# KiCad board shek-rounded.kicad_pcb
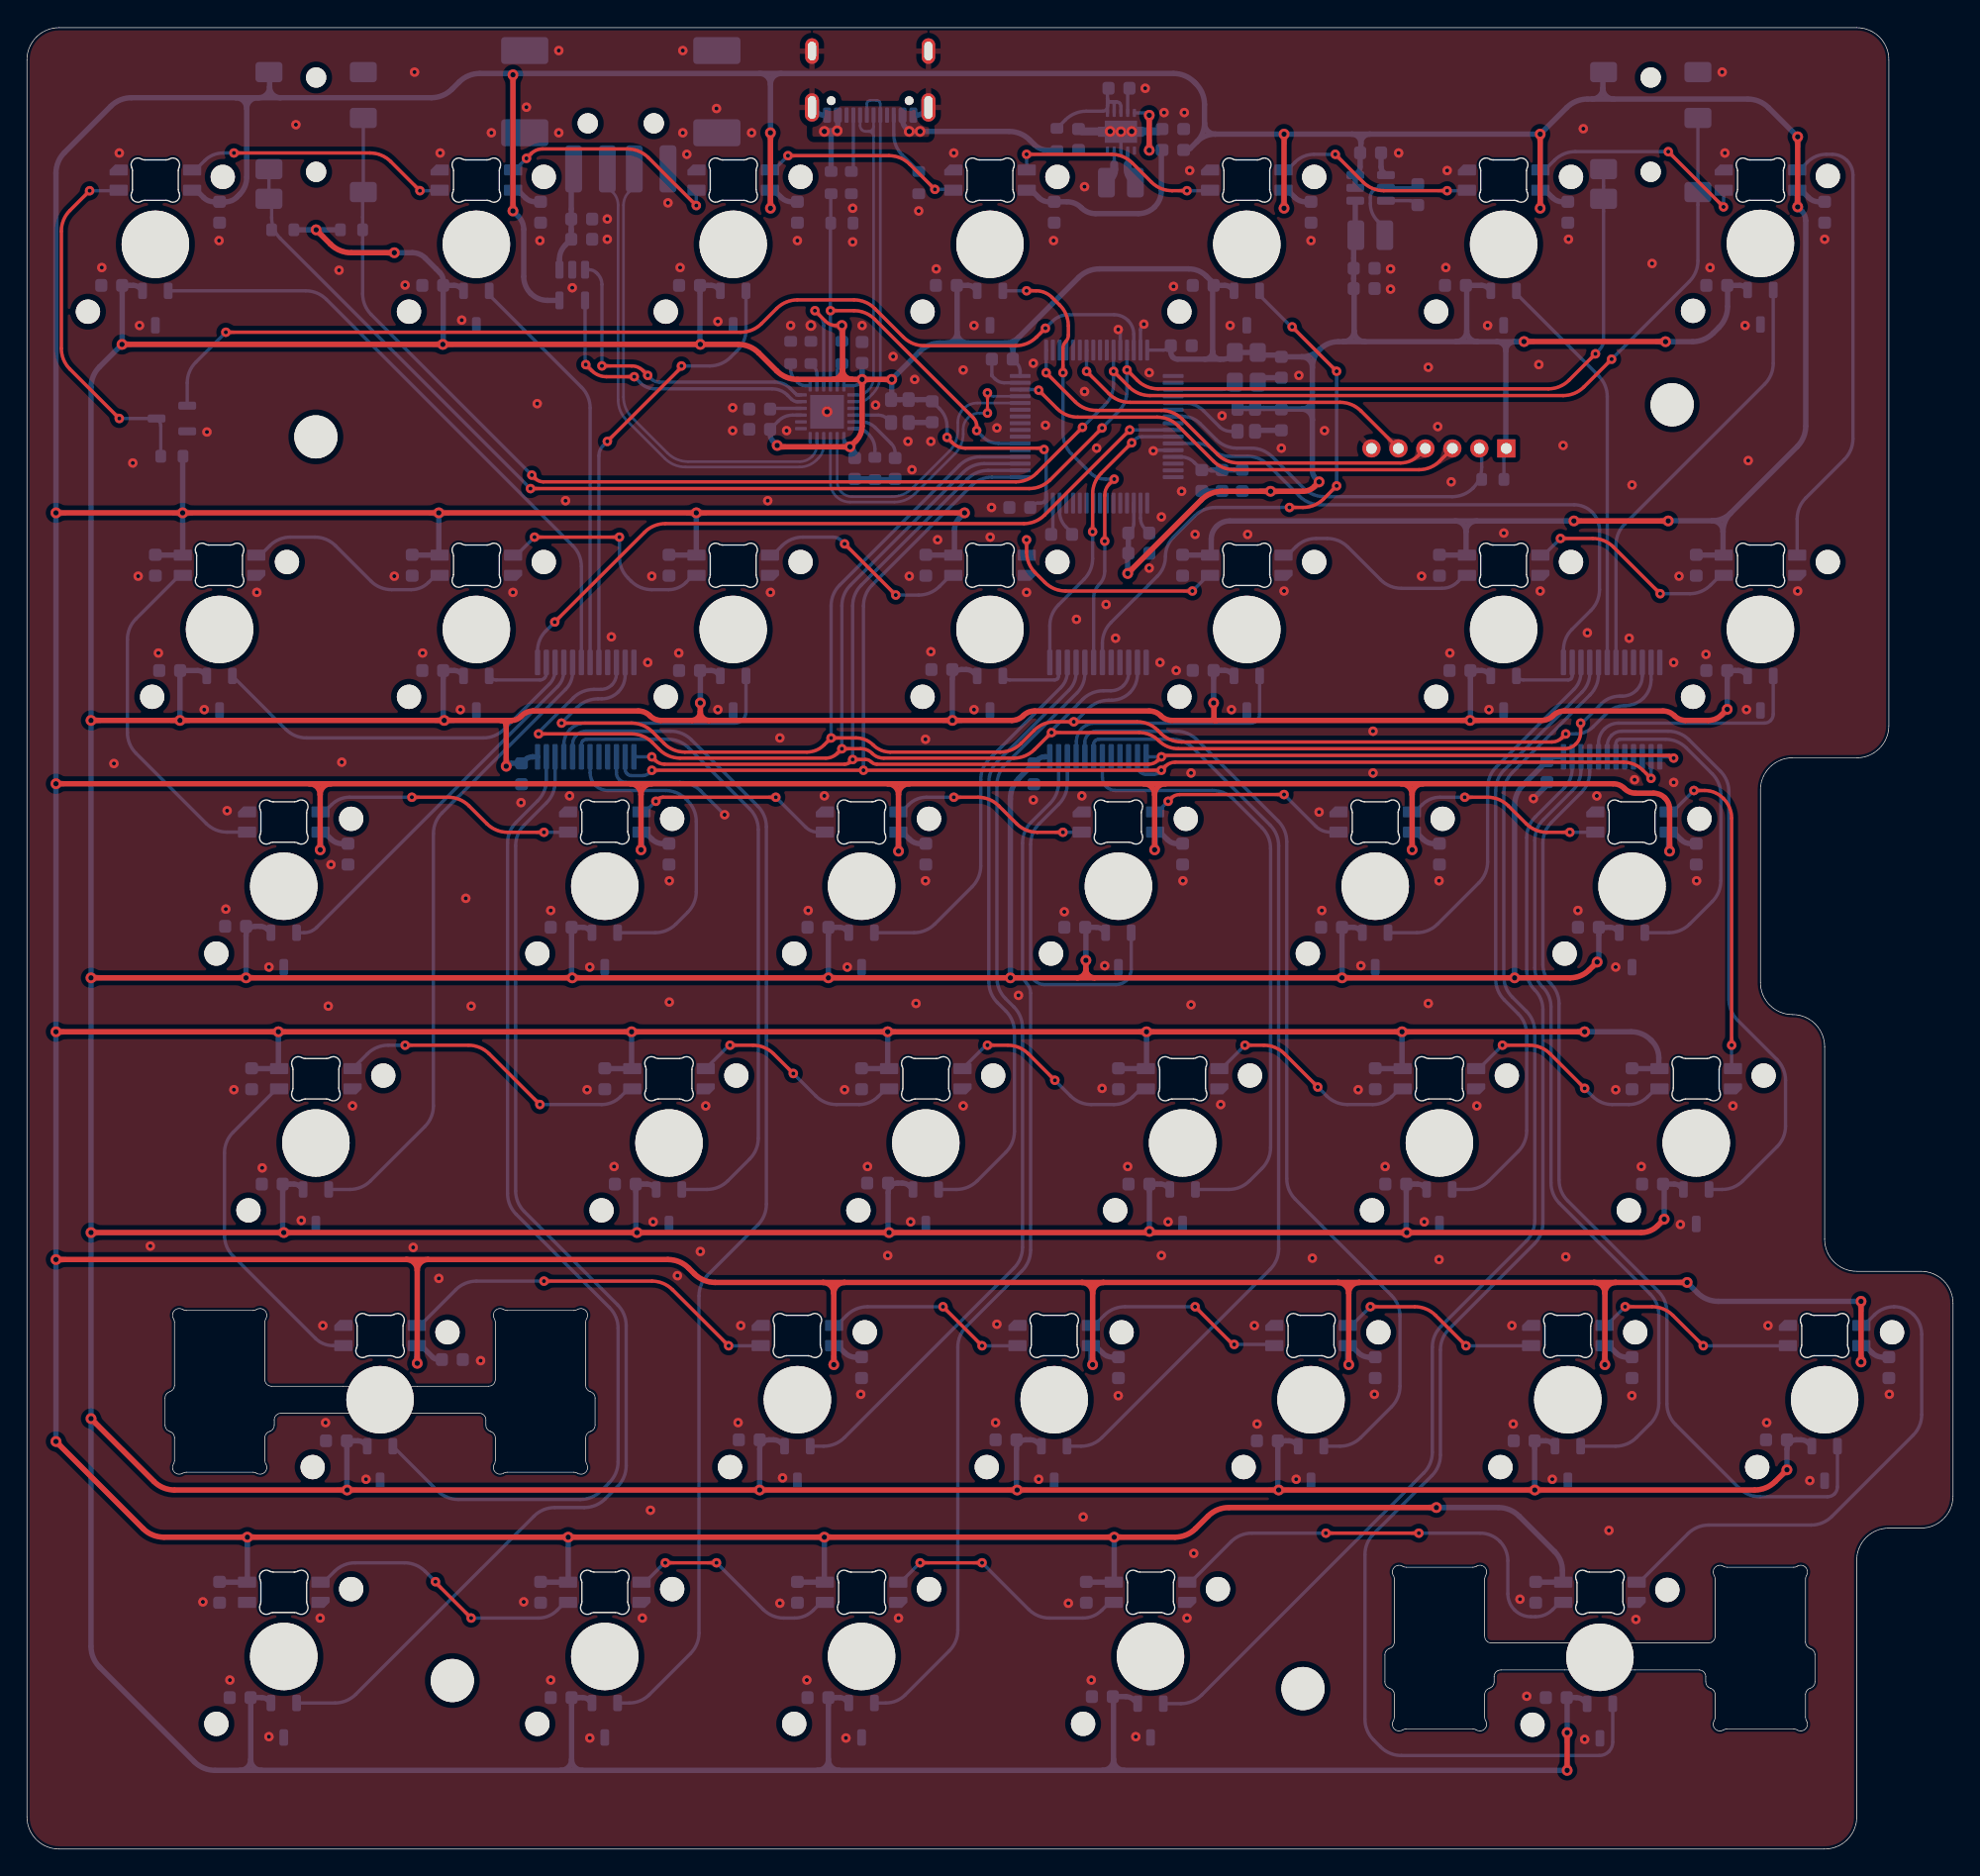
[diagram p0: board, top side]
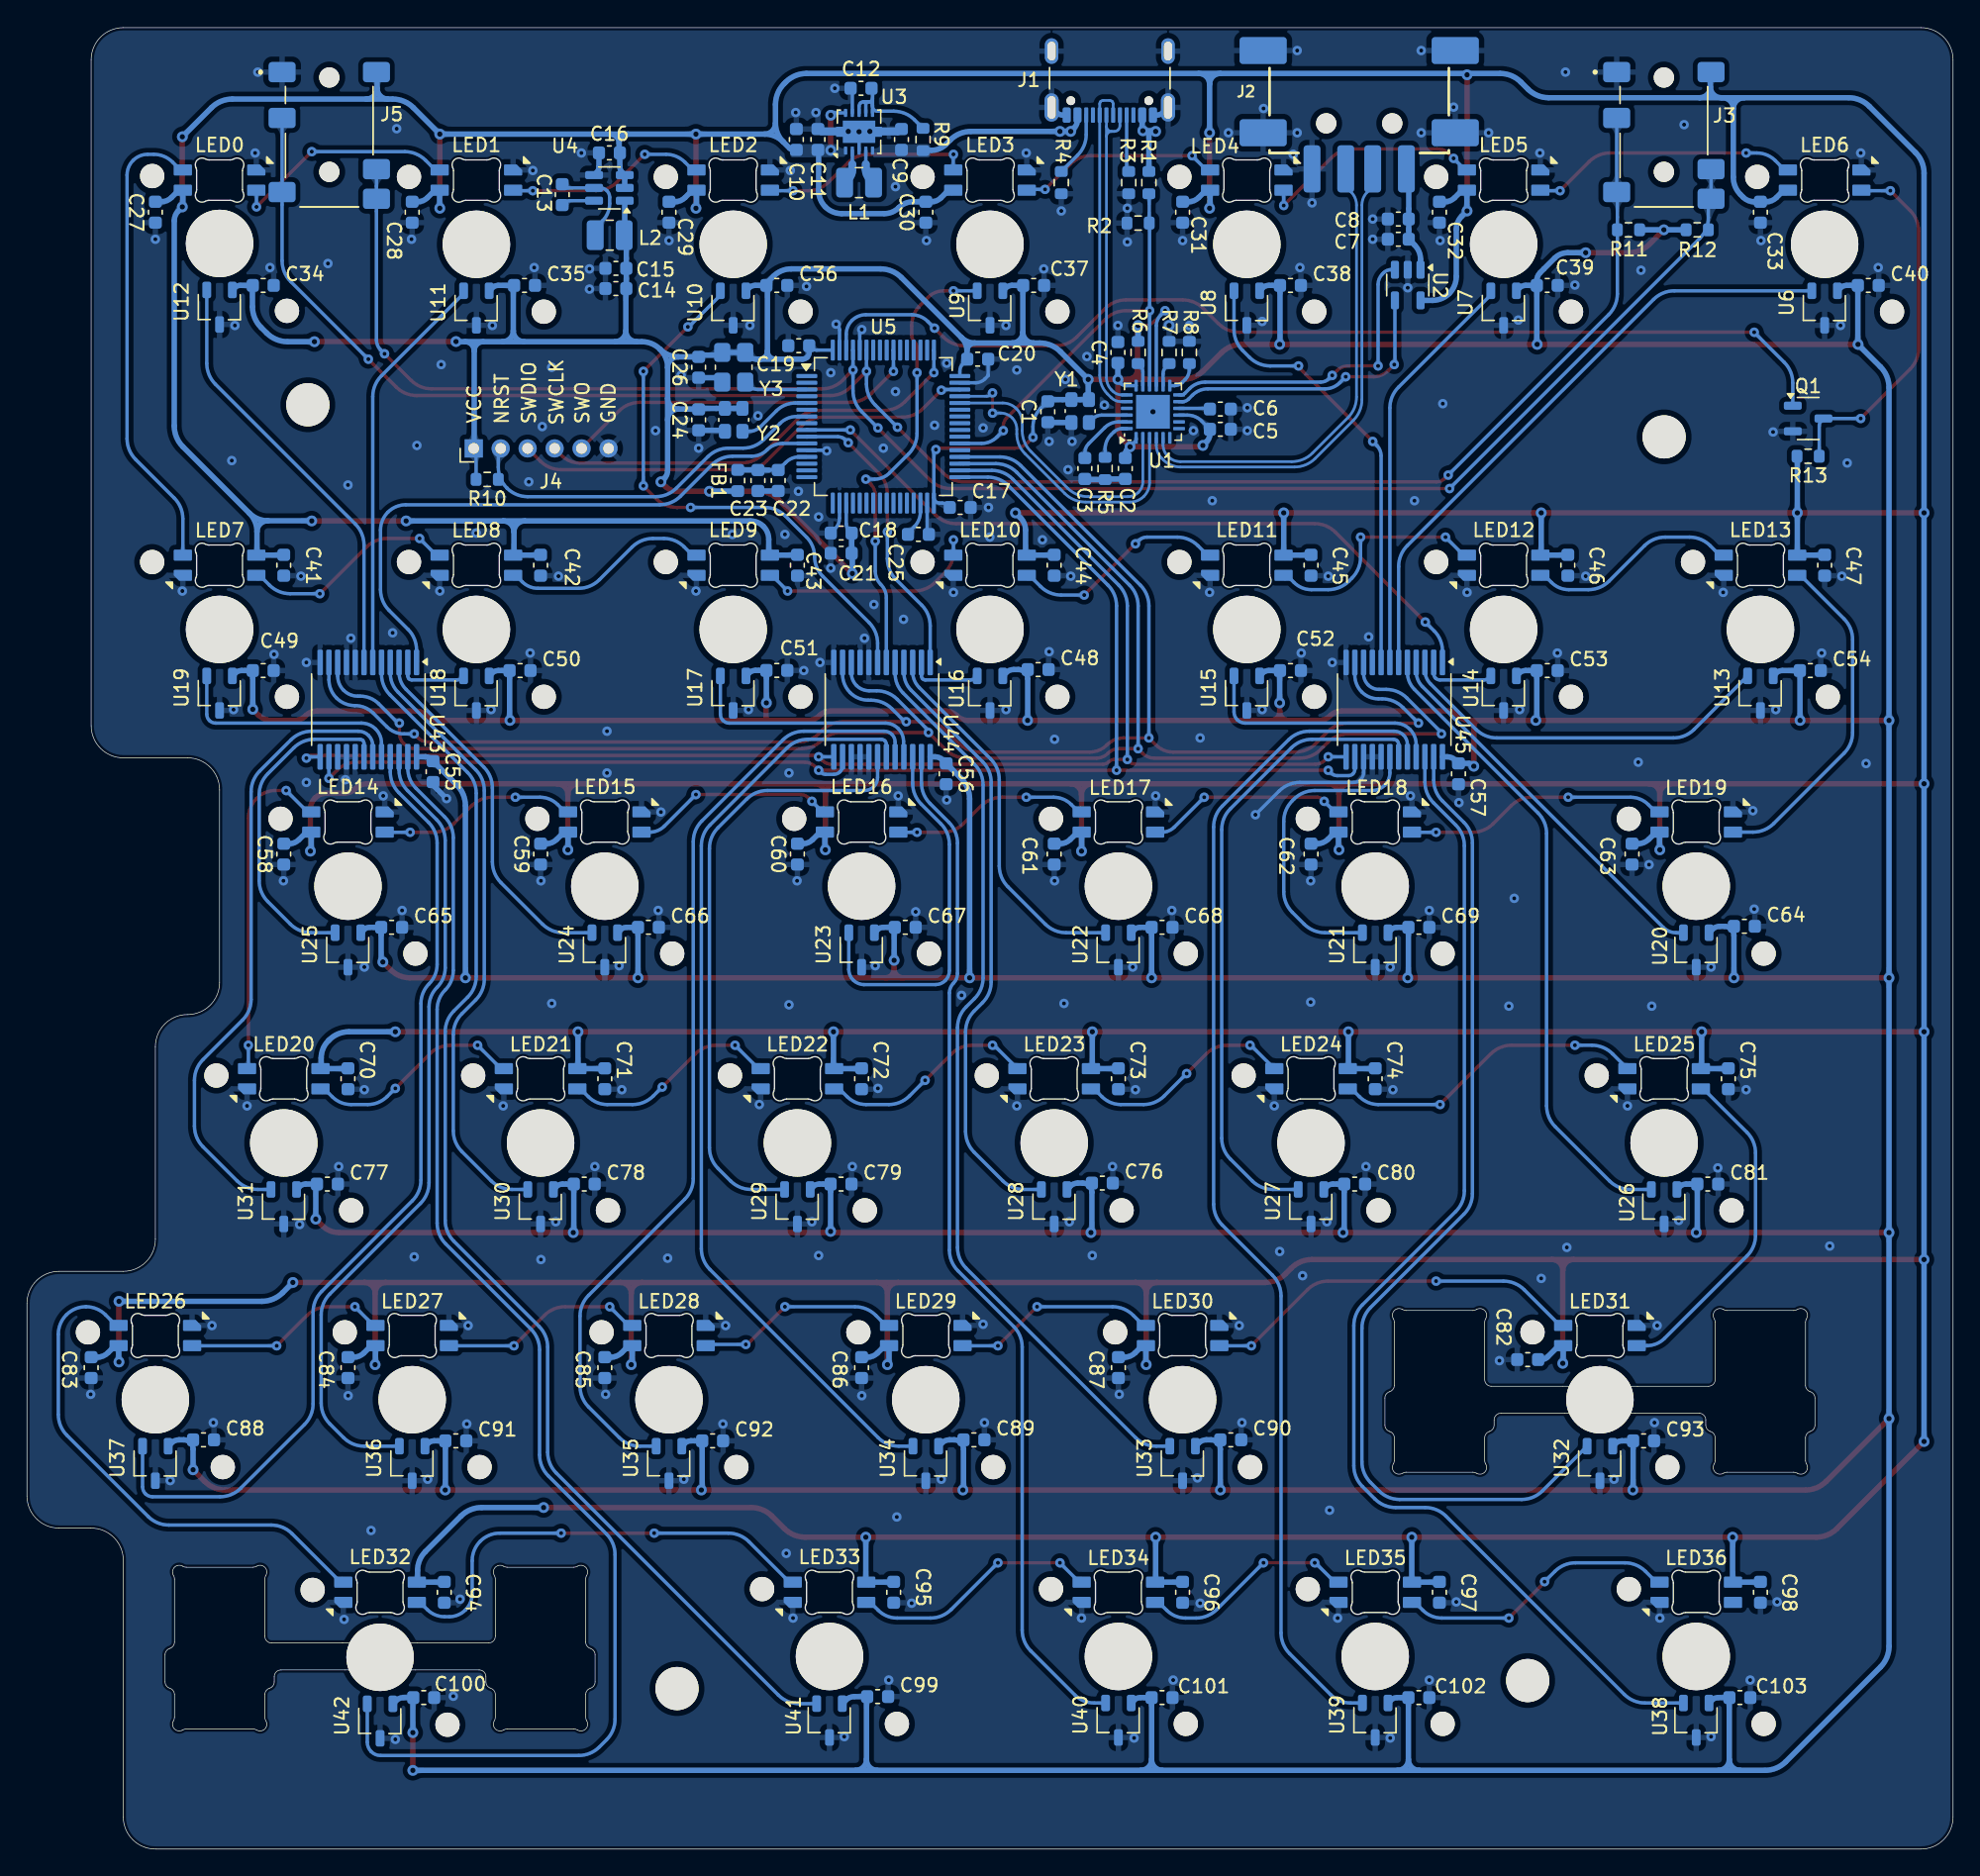
[diagram p1: board, bottom side, seen from below]

Outline 142.88 x 135.14 mm; copper layers: Top, Bottom. Coordinates in mm from the lower left corner of the outline.
Outline path: 0,2.38 0,132.75 arc(0.7,134.44) 2.38,135.14 135.73,135.14 arc(137.42,134.44) 138.11,132.75 138.11,83.34 arc(137.42,81.66) 135.73,80.96 130.97,80.96 arc(129.28,80.27) 128.59,78.58 128.59,64.29 arc(129.28,62.61) 130.97,61.91 arc(132.65,61.22) 133.35,59.53 133.35,45.24 arc(134.05,43.56) 135.73,42.86 140.49,42.86 arc(142.18,42.17) 142.88,40.48 142.88,26.19 arc(142.18,24.51) 140.49,23.81 138.11,23.81 arc(136.43,23.12) 135.73,21.43 135.73,2.38 arc(135.03,0.69) 133.33,0 2.38,0 arc(0.7,0.7) 0,2.38

## Placement (name value [footprint] x y rotation side)
C1  0.1uF  [C_0603_1608Metric]  67.15 106.64 90 bottom
C2  0.1uF  [C_0603_1608Metric]  61.4 102.43 270 bottom
C3  0.1uF  [C_0603_1608Metric]  64.4 102.43 270 bottom
C4  0.1uF  [C_0603_1608Metric]  61.95 111.04 90 bottom
C5  1uF  [C_0603_1608Metric]  54.35 105.34 180 bottom
C6  1uF  [C_0603_1608Metric]  54.35 106.84 180 bottom
C7  1uF  [C_0603_1608Metric]  41.15 119.44 0 bottom
C8  0.1uF  [C_0603_1608Metric]  41.15 120.94 0 bottom
C9  10uF  [C_0603_1608Metric]  78 126.84 90 bottom
C10  10uF  [C_0603_1608Metric]  85.8 126.84 90 bottom
C11  10uF  [C_0603_1608Metric]  84.2 126.84 90 bottom
C12  0.1uF  [C_0603_1608Metric]  81 130.64 0 bottom
C13  0.1uF  [C_0603_1608Metric]  103.17 122.75 270 bottom
C14  22uF  [C_0603_1608Metric]  99.19 115.78 0 bottom
C15  22uF  [C_0603_1608Metric]  99.19 117.28 0 bottom
C16  10uF  [C_0603_1608Metric]  99.67 125.85 0 bottom
C17  0.1uF  [C_0603_1608Metric]  73.65 99.54 180 bottom
C18  0.1uF  [C_0603_1608Metric]  82.48 97.64 0 bottom
C19  0.1uF  [C_0603_1608Metric]  85.62 111.54 0 bottom
C20  0.1uF  [C_0603_1608Metric]  72.35 110.54 180 bottom
C21  4.7uF  [C_0603_1608Metric]  82.48 96.14 0 bottom
C22  0.1uF  [C_0603_1608Metric]  87.15 101.54 270 bottom
C23  1uF  [C_0603_1608Metric]  88.65 101.54 270 bottom
C24  0.1uF  [C_0603_1608Metric]  93.05 106.04 90 bottom
C25  4.7uF <1R  [C_0603_1608Metric]  76.75 97.54 180 bottom
C26  0.1uF  [C_0603_1608Metric]  93.05 109.94 90 bottom
C27  0.1uF  [C_0603_1608Metric]  133.35 121.44 90 bottom
C28  0.1uF  [C_0603_1608Metric]  114.3 121.44 90 bottom
C29  0.1uF  [C_0603_1608Metric]  95.25 121.44 90 bottom
C30  0.1uF  [C_0603_1608Metric]  76.2 121.44 90 bottom
C31  0.1uF  [C_0603_1608Metric]  57.15 121.44 90 bottom
C32  0.1uF  [C_0603_1608Metric]  38.1 121.44 90 bottom
C33  0.1uF  [C_0603_1608Metric]  14.29 121.44 90 bottom
C34  0.1uF  [C_0603_1608Metric]  125.35 116.01 180 bottom
C35  0.1uF  [C_0603_1608Metric]  105.97 116.01 180 bottom
C36  0.1uF  [C_0603_1608Metric]  87.25 116.01 180 bottom
C37  0.1uF  [C_0603_1608Metric]  68.2 116.01 180 bottom
C38  0.1uF  [C_0603_1608Metric]  49.15 116.01 180 bottom
C39  0.1uF  [C_0603_1608Metric]  30.1 116.01 180 bottom
C40  0.1uF  [C_0603_1608Metric]  6.29 116.01 180 bottom
C41  0.1uF  [C_0603_1608Metric]  123.83 95.25 90 bottom
C42  0.1uF  [C_0603_1608Metric]  104.78 95.25 90 bottom
C43  0.1uF  [C_0603_1608Metric]  85.73 95.25 90 bottom
C44  0.1uF  [C_0603_1608Metric]  66.68 95.25 90 bottom
C45  0.1uF  [C_0603_1608Metric]  47.62 95.25 90 bottom
C46  0.1uF  [C_0603_1608Metric]  28.57 95.25 90 bottom
C47  0.1uF  [C_0603_1608Metric]  9.52 95.25 90 bottom
C48  0.1uF  [C_0603_1608Metric]  67.87 87.51 180 bottom
C49  0.1uF  [C_0603_1608Metric]  125.35 87.44 180 bottom
C50  0.1uF  [C_0603_1608Metric]  106.3 87.44 180 bottom
C51  0.1uF  [C_0603_1608Metric]  87.25 87.45 180 bottom
C52  0.1uF  [C_0603_1608Metric]  49.15 87.44 180 bottom
C53  0.1uF  [C_0603_1608Metric]  30.1 87.44 180 bottom
C54  0.1uF  [C_0603_1608Metric]  10.59 87.44 180 bottom
C55  0.1uF  [C_0603_1608Metric]  112.75 79.94 270 bottom
C56  0.1uF  [C_0603_1608Metric]  74.69 79.77 270 bottom
C57  0.1uF  [C_0603_1608Metric]  36.69 79.77 270 bottom
C58  0.1uF  [C_0603_1608Metric]  123.82 73.82 90 bottom
C59  0.1uF  [C_0603_1608Metric]  104.77 73.82 90 bottom
C60  0.1uF  [C_0603_1608Metric]  85.73 73.82 90 bottom
C61  0.1uF  [C_0603_1608Metric]  66.68 73.82 90 bottom
C62  0.1uF  [C_0603_1608Metric]  47.63 73.82 90 bottom
C63  0.1uF  [C_0603_1608Metric]  23.81 73.82 90 bottom
C64  0.1uF  [C_0603_1608Metric]  15.48 68.46 180 bottom
C65  0.1uF  [C_0603_1608Metric]  115.82 68.39 180 bottom
C66  0.1uF  [C_0603_1608Metric]  96.77 68.39 180 bottom
C67  0.1uF  [C_0603_1608Metric]  77.73 68.39 180 bottom
C68  0.1uF  [C_0603_1608Metric]  58.68 68.39 180 bottom
C69  0.1uF  [C_0603_1608Metric]  39.62 68.39 180 bottom
C70  0.1uF  [C_0603_1608Metric]  119.06 57.15 90 bottom
C71  0.1uF  [C_0603_1608Metric]  100.01 57.15 90 bottom
C72  0.1uF  [C_0603_1608Metric]  80.96 57.15 90 bottom
C73  0.1uF  [C_0603_1608Metric]  61.91 57.15 90 bottom
C74  0.1uF  [C_0603_1608Metric]  42.86 57.15 90 bottom
C75  0.1uF  [C_0603_1608Metric]  16.67 57.15 90 bottom
C76  0.1uF  [C_0603_1608Metric]  63.1 49.41 180 bottom
C77  0.1uF  [C_0603_1608Metric]  120.59 49.34 180 bottom
C78  0.1uF  [C_0603_1608Metric]  101.54 49.34 180 bottom
C79  0.1uF  [C_0603_1608Metric]  82.49 49.34 180 bottom
C80  0.1uF  [C_0603_1608Metric]  44.39 49.34 180 bottom
C81  0.1uF  [C_0603_1608Metric]  18.19 49.34 180 bottom
C82  0.1uF  [C_0603_1608Metric]  31.55 36.31 180 bottom
C83  0.1uF  [C_0603_1608Metric]  138.11 35.72 90 bottom
C84  0.1uF  [C_0603_1608Metric]  119.06 35.72 90 bottom
C85  0.1uF  [C_0603_1608Metric]  100.01 35.72 90 bottom
C86  0.1uF  [C_0603_1608Metric]  80.96 35.72 90 bottom
C87  0.1uF  [C_0603_1608Metric]  61.91 35.72 90 bottom
C88  0.1uF  [C_0603_1608Metric]  129.78 30.36 180 bottom
C89  0.1uF  [C_0603_1608Metric]  72.63 30.36 180 bottom
C90  0.1uF  [C_0603_1608Metric]  53.58 30.36 180 bottom
C91  0.1uF  [C_0603_1608Metric]  111.06 30.29 180 bottom
C92  0.1uF  [C_0603_1608Metric]  92.01 30.29 180 bottom
C93  0.1uF  [C_0603_1608Metric]  22.96 30.29 180 bottom
C94  0.1uF  [C_0603_1608Metric]  111.92 19.05 90 bottom
C95  0.1uF  [C_0603_1608Metric]  78.58 19.05 90 bottom
C96  0.1uF  [C_0603_1608Metric]  57.15 19.05 90 bottom
C97  0.1uF  [C_0603_1608Metric]  38.1 19.05 90 bottom
C98  0.1uF  [C_0603_1608Metric]  14.29 19.05 90 bottom
C99  0.1uF  [C_0603_1608Metric]  79.77 11.31 180 bottom
C100  0.1uF  [C_0603_1608Metric]  113.44 11.24 180 bottom
C101  0.1uF  [C_0603_1608Metric]  58.68 11.24 180 bottom
C102  0.1uF  [C_0603_1608Metric]  39.62 11.24 180 bottom
C103  0.1uF  [C_0603_1608Metric]  15.81 11.24 180 bottom
FB1  FBead  [L_0603_1608Metric]  90.15 101.54 270 bottom
H1  MountingHole  [MountingHole_3.2mm_M3]  21.43 104.77 0 top
H2  MountingHole  [MountingHole_3.2mm_M3]  31.55 12.5 0 top
H3  MountingHole  [MountingHole_3.2mm_M3]  94.66 11.91 0 top
H4  MountingHole  [MountingHole_3.2mm_M3]  122.04 107.16 0 top
J1  12402012E212A  [AMPHENOL_12402012E212A]  62.55 133.4 0 bottom
J2  -  [629104190121]  44.05 130.94 0 bottom
J3  54-00177  [TENSILITY_54-00177]  21.45 127.94 0 bottom
J4  Conn_01x06_Pin  [PinHeader_1x06_P2.00mm_Horizontal]  109.74 103.92 90 bottom
J5  54-00177  [TENSILITY_54-00177]  120.45 127.94 0 bottom
L1  2.2uH  [L_1008_2520Metric]  81.15 123.64 180 bottom
L2  1uH  [L_1008_2520Metric]  99.65 119.74 180 bottom
LED0  choc_SK6812MINI-E  [LED_choc_6028R]  128.59 123.83 180 bottom
LED1  choc_SK6812MINI-E  [LED_choc_6028R]  109.54 123.83 180 bottom
LED2  choc_SK6812MINI-E  [LED_choc_6028R]  90.49 123.83 180 bottom
LED3  choc_SK6812MINI-E  [LED_choc_6028R]  71.44 123.83 180 bottom
LED4  choc_SK6812MINI-E  [LED_choc_6028R]  52.39 123.83 180 bottom
LED5  choc_SK6812MINI-E  [LED_choc_6028R]  33.34 123.83 180 bottom
LED6  choc_SK6812MINI-E  [LED_choc_6028R]  9.52 123.83 180 bottom
LED7  choc_SK6812MINI-E  [LED_choc_6028R]  128.59 95.25 0 bottom
LED8  choc_SK6812MINI-E  [LED_choc_6028R]  109.54 95.25 0 bottom
LED9  choc_SK6812MINI-E  [LED_choc_6028R]  90.49 95.25 0 bottom
LED10  choc_SK6812MINI-E  [LED_choc_6028R]  71.44 95.25 0 bottom
LED11  choc_SK6812MINI-E  [LED_choc_6028R]  52.39 95.25 0 bottom
LED12  choc_SK6812MINI-E  [LED_choc_6028R]  33.34 95.25 0 bottom
LED13  choc_SK6812MINI-E  [LED_choc_6028R]  14.29 95.25 0 bottom
LED14  choc_SK6812MINI-E  [LED_choc_6028R]  119.06 76.2 180 bottom
LED15  choc_SK6812MINI-E  [LED_choc_6028R]  100.01 76.2 180 bottom
LED16  choc_SK6812MINI-E  [LED_choc_6028R]  80.96 76.2 180 bottom
LED17  choc_SK6812MINI-E  [LED_choc_6028R]  61.91 76.2 180 bottom
LED18  choc_SK6812MINI-E  [LED_choc_6028R]  42.86 76.2 180 bottom
LED19  choc_SK6812MINI-E  [LED_choc_6028R]  19.05 76.2 180 bottom
LED20  choc_SK6812MINI-E  [LED_choc_6028R]  123.82 57.15 0 bottom
LED21  choc_SK6812MINI-E  [LED_choc_6028R]  104.77 57.15 0 bottom
LED22  choc_SK6812MINI-E  [LED_choc_6028R]  85.73 57.15 0 bottom
LED23  choc_SK6812MINI-E  [LED_choc_6028R]  66.68 57.15 0 bottom
LED24  choc_SK6812MINI-E  [LED_choc_6028R]  47.62 57.15 0 bottom
LED25  choc_SK6812MINI-E  [LED_choc_6028R]  21.43 57.15 0 bottom
LED26  choc_SK6812MINI-E  [LED_choc_6028R]  133.35 38.1 180 bottom
LED27  choc_SK6812MINI-E  [LED_choc_6028R]  114.3 38.1 180 bottom
LED28  choc_SK6812MINI-E  [LED_choc_6028R]  95.25 38.1 180 bottom
LED29  choc_SK6812MINI-E  [LED_choc_6028R]  76.2 38.1 180 bottom
LED30  choc_SK6812MINI-E  [LED_choc_6028R]  57.15 38.1 180 bottom
LED31  choc_SK6812MINI-E  [LED_choc_6028R]  26.19 38.1 180 bottom
LED32  choc_SK6812MINI-E  [LED_choc_6028R]  116.68 19.05 0 bottom
LED33  choc_SK6812MINI-E  [LED_choc_6028R]  83.34 19.05 0 bottom
LED34  choc_SK6812MINI-E  [LED_choc_6028R]  61.91 19.05 0 bottom
LED35  choc_SK6812MINI-E  [LED_choc_6028R]  42.86 19.05 0 bottom
LED36  choc_SK6812MINI-E  [LED_choc_6028R]  19.05 19.05 0 bottom
Q1  NTR4003NT1G  [SOT-23-3]  10.75 106.14 180 bottom
R1  100k  [R_0603_1608Metric]  59.65 123.64 270 bottom
R2  100k  [R_0603_1608Metric]  60.45 120.64 180 bottom
R3  5K1  [R_0603_1608Metric]  61.15 123.64 270 bottom
R4  5K1  [R_0603_1608Metric]  66.15 123.64 270 bottom
R5  12k  [R_0603_1608Metric]  62.9 102.43 270 bottom
R6  100k  [R_0603_1608Metric]  60.45 111.04 270 bottom
R7  100k  [R_0603_1608Metric]  58.15 111.04 90 bottom
R8  100k  [R_0603_1608Metric]  56.65 111.04 90 bottom
R9  100R  [R_0603_1608Metric]  76.4 126.84 270 bottom
R10  12k  [R_0603_1608Metric]  108.74 101.62 0 bottom
R11  4K7  [R_0603_1608Metric]  24.07 120.14 180 bottom
R12  4K7  [R_0603_1608Metric]  18.98 120.14 0 bottom
R13  12k  [R_0603_1608Metric]  10.75 103.34 0 bottom
S1  choc_stab  [Stabilizers_Plate-Mounted_2U]  26.19 33.34 0 top
S2  choc_stab  [Stabilizers_Plate-Mounted_2U]  116.68 14.29 0 top
U1  USB2422T/MJ  [HVQFN-24-1EP_4x4mm_P0.5mm_EP2.5x2.5mm]  59.35 106.64 90 bottom
U2  AP22814AW5  [SOT-23-5]  40.45 116.04 270 bottom
U3  TPS63002  [Texas_DRC0010J]  81.15 127.41 90 bottom
U4  AP63203WU  [TSOT-23-6]  99.67 123.25 0 bottom
U5  STM32F446RETx  [LQFP-64_10x10mm_P0.5mm]  79.35 105.54 180 bottom
U6  AH49ENTR-G1  [SOT-23-3_ChocV2-1U]  9.52 119.06 0 top
U7  AH49ENTR-G1  [SOT-23-3_ChocV2-1U]  33.34 119.06 0 top
U8  AH49ENTR-G1  [SOT-23-3_ChocV2-1U]  52.39 119.06 0 top
U9  AH49ENTR-G1  [SOT-23-3_ChocV2-1U]  71.44 119.06 0 top
U10  AH49ENTR-G1  [SOT-23-3_ChocV2-1U]  90.49 119.06 0 top
U11  AH49ENTR-G1  [SOT-23-3_ChocV2-1U]  109.54 119.06 0 top
U12  AH49ENTR-G1  [SOT-23-3_ChocV2-1U]  128.59 119.13 0 top
U13  AH49ENTR-G1  [SOT-23-3_ChocV2-1U]  14.29 90.49 0 top
U14  AH49ENTR-G1  [SOT-23-3_ChocV2-1U]  33.34 90.49 0 top
U15  AH49ENTR-G1  [SOT-23-3_ChocV2-1U]  52.39 90.49 0 top
U16  AH49ENTR-G1  [SOT-23-3_ChocV2-1U]  71.44 90.49 0 top
U17  AH49ENTR-G1  [SOT-23-3_ChocV2-1U]  90.49 90.49 0 top
U18  AH49ENTR-G1  [SOT-23-3_ChocV2-1U]  109.54 90.49 0 top
U19  AH49ENTR-G1  [SOT-23-3_ChocV2-1U]  128.59 90.49 0 top
U20  AH49ENTR-G1  [SOT-23-3_ChocV2-1.5U]  19.05 71.44 0 top
U21  AH49ENTR-G1  [SOT-23-3_ChocV2-1U]  42.86 71.44 0 top
U22  AH49ENTR-G1  [SOT-23-3_ChocV2-1U]  61.91 71.44 0 top
U23  AH49ENTR-G1  [SOT-23-3_ChocV2-1U]  80.96 71.44 0 top
U24  AH49ENTR-G1  [SOT-23-3_ChocV2-1U]  100.01 71.44 0 top
U25  AH49ENTR-G1  [SOT-23-3_ChocV2-1U]  119.06 71.44 0 top
U26  AH49ENTR-G1  [SOT-23-3_ChocV2-1.75U]  21.43 52.39 0 top
U27  AH49ENTR-G1  [SOT-23-3_ChocV2-1U]  47.62 52.39 0 top
U28  AH49ENTR-G1  [SOT-23-3_ChocV2-1U]  66.68 52.39 0 top
U29  AH49ENTR-G1  [SOT-23-3_ChocV2-1U]  85.73 52.39 0 top
U30  AH49ENTR-G1  [SOT-23-3_ChocV2-1U]  104.77 52.39 0 top
U31  AH49ENTR-G1  [SOT-23-3_ChocV2-1U]  123.82 52.39 0 top
U32  AH49ENTR-G1  [SOT-23-3_ChocV2-1U]  26.19 33.34 0 top
U33  AH49ENTR-G1  [SOT-23-3_ChocV2-1U]  57.15 33.34 0 top
U34  AH49ENTR-G1  [SOT-23-3_ChocV2-1U]  76.2 33.34 0 top
U35  AH49ENTR-G1  [SOT-23-3_ChocV2-1U]  95.25 33.34 0 top
U36  AH49ENTR-G1  [SOT-23-3_ChocV2-1U]  114.3 33.34 0 top
U37  AH49ENTR-G1  [SOT-23-3_ChocV2-1U]  133.35 33.34 0 top
U38  AH49ENTR-G1  [SOT-23-3_ChocV2-1.5U]  19.05 14.29 0 top
U39  AH49ENTR-G1  [SOT-23-3_ChocV2-1U]  42.86 14.29 0 top
U40  AH49ENTR-G1  [SOT-23-3_ChocV2-1U]  61.91 14.29 0 top
U41  AH49ENTR-G1  [SOT-23-3_ChocV2-1.25U]  83.34 14.29 0 top
U42  AH49ENTR-G1  [SOT-23-3_ChocV2-1U]  116.68 14.23 0 top
U43  CD74HC4067SM  [SSOP-24_5.3x8.2mm_P0.65mm]  117.55 84.54 270 bottom
U44  CD74HC4067SM  [SSOP-24_5.3x8.2mm_P0.65mm]  79.45 84.54 270 bottom
U45  CD74HC4067SM  [SSOP-24_5.3x8.2mm_P0.65mm]  41.45 84.54 270 bottom
Y1  SG-210STF  [Oscillator_SMD_SeikoEpson_SG210-4Pin_2.5x2.0mm]  64.75 106.69 270 bottom
Y2  SG-210STF  [Oscillator_SMD_SeikoEpson_SG210-4Pin_2.5x2.0mm]  90.45 106.04 270 bottom
Y3  ASCO  [Crystal_SMD_Abracon_ABM8G-4Pin_3.2x2.5mm_silkmod]  90.45 109.94 270 bottom

## Library data of the parts
C1-C4 C8 C12 C13 C17-C20 C22 C24 C26-C103 = -: Description: Unpolarized capacitor, small symbol; Digikey: 311-1088-1-ND; ki_fp_filters: C_*
C5-C7 C23 = -: Description: Unpolarized capacitor, small symbol; Digikey: 311-1445-1-ND; ki_fp_filters: C_*
C9-C11 C16 = -: Description: Unpolarized capacitor, small symbol; Digikey: 311-1817-1-ND; ki_fp_filters: C_*
C14 C15 = -: Description: Unpolarized capacitor, small symbol; Digikey: 490-10476-1-ND; ki_fp_filters: C_*
C21 C25 = -: Description: Unpolarized capacitor, small symbol; Digikey: 311-1785-1-ND; ki_fp_filters: C_*
FB1 = -: Description: Ferrite bead, small symbol; Digikey: 240-2558-1-ND; ki_fp_filters: Inductor_* L_* *Ferrite*
H1-H4 = -: Description: Mounting Hole without connection; ki_fp_filters: MountingHole*
J1 = -: PARTREV: 4; STANDARD: Manufacturer Recommendations; MAXIMUM_PACKAGE_HEIGHT: 3.26 mm; MANUFACTURER: Amphenol; Digikey: 664-12402012E212ACT-ND
J3 J5 = -: PARTREV: A; STANDARD: Manufacturer Recommendations; MAXIMUM_PACKAGE_HEIGHT: 4.5mm; MANUFACTURER: TENSILITY; Digikey: 839-54-00177CT-ND
J4 = -: Description: Generic connector, single row, 01x06, script generated; ki_fp_filters: Connector*:*_1x??_*
L1 = -: Description: Inductor; Digikey: 490-13055-1-ND; ki_fp_filters: Choke_* *Coil* Inductor_* L_*
L2 = -: Description: Inductor; Digikey: 490-13053-1-ND; ki_fp_filters: Choke_* *Coil* Inductor_* L_*
LED0-LED36 = -: Description: Reverse mount adressable LED (WS2812 protocol)
Q1 = -: Description: N-MOSFET transistor; Digikey: NTR4003NT1GOSCT-ND
R1 R2 R6-R8 = -: Description: Resistor; Digikey: RG16P100KBCT-ND; ki_fp_filters: R_*
R3 R4 = -: Description: Resistor; Digikey: RG16P5.1KBCT-ND; ki_fp_filters: R_*
R5 R10 R13 = -: Description: Resistor; Digikey: RG16P12.0KBCT-ND; ki_fp_filters: R_*
R9 = -: Description: Resistor; Digikey: RG16P100BCT-ND; ki_fp_filters: R_*
R11 R12 = -: Description: Resistor; Digikey: RG16P4.7KBCT-ND; ki_fp_filters: R_*
S1 S2 = -: Description: Kailh Choc-style stabilizer
U1 = -: Digikey: USB2422T/MJCT-ND; ki_fp_filters: SQFN24_4X4MC_MCH SQFN24_4X4MC_MCH-M SQFN24_4X4MC_MCH-L
U2 = -: Datasheet: https://www.diodes.com/assets/Datasheets/AP22804_14.pdf; Description: Current limited 3A power switch, single channel, SOT-23-5; Digikey: AP22814AW5-7DICT-ND; ki_fp_filters: SOT?23*
U3 = -: Datasheet: http://www.ti.com/lit/ds/symlink/tps63000.pdf; Description: Buck-Boost Converter, 1.8-5.5V Input Voltage, 1.7A Switch Current, 5V Output Voltage, VSON-10; Digikey: 296-19644-1-ND; ki_fp_filters: Texas*DRC0010J*
U4 = -: Datasheet: https://www.diodes.com/assets/Datasheets/AP63200-AP63201-AP63203-AP63205.pdf; Description: 2A, 1.1MHz Buck DC/DC Converter, fixed 3.3V output voltage, TSOT-23-6; Digikey: AP63203WU-7DICT-ND; ki_fp_filters: TSOT?23*
U5 = -: Datasheet: https://www.st.com/resource/en/datasheet/stm32f446re.pdf; Description: STMicroelectronics Arm Cortex-M4 MCU, 512KB flash, 128KB RAM, 180 MHz, 1.8-3.6V, 50 GPIO, LQFP64; Digikey: 497-STM32F446RET6TRCT-ND; ki_fp_filters: LQFP*10x10mm*P0.5mm*
U6-U42 = -: Digikey: AH49ENTR-G1DICT-ND; ki_fp_filters: SOT-23-3_DIO SOT-23-3_DIO-M SOT-23-3_DIO-L
U43-U45 = -: Datasheet: http://www.ti.com/lit/ds/symlink/cd74hc4067.pdf; Description: High-Speed CMOS Logic 16-Channel Analog Multiplexer/Demultiplexer, SSOP-24; Digikey: 1727-2807-1-ND; ki_fp_filters: SSOP*5.3x8.2mm*P0.65mm*
Y1 Y2 = -: Datasheet: https://support.epson.biz/td/api/doc_check.php?mode=dl&lang=en&Parts=SG-210STF; Description: CMOS Crystal Oscillator SPXO; Digikey: SER4078CT-ND; ki_fp_filters: Oscillator*SMD*SeikoEpson*SG210*2.5x2.0mm*
Y3 = -: Datasheet: https://abracon.com/Oscillators/ASCO.pdf; Description: Crystal Clock Oscillator, Abracon ASCO; Digikey: 535-ASEK-32.768KHZ-L-R-TCT-ND; ki_fp_filters: Oscillator*Abracon*ASCO*1.6x1.2mm*
